# KiCad board chastity.kicad_pcb
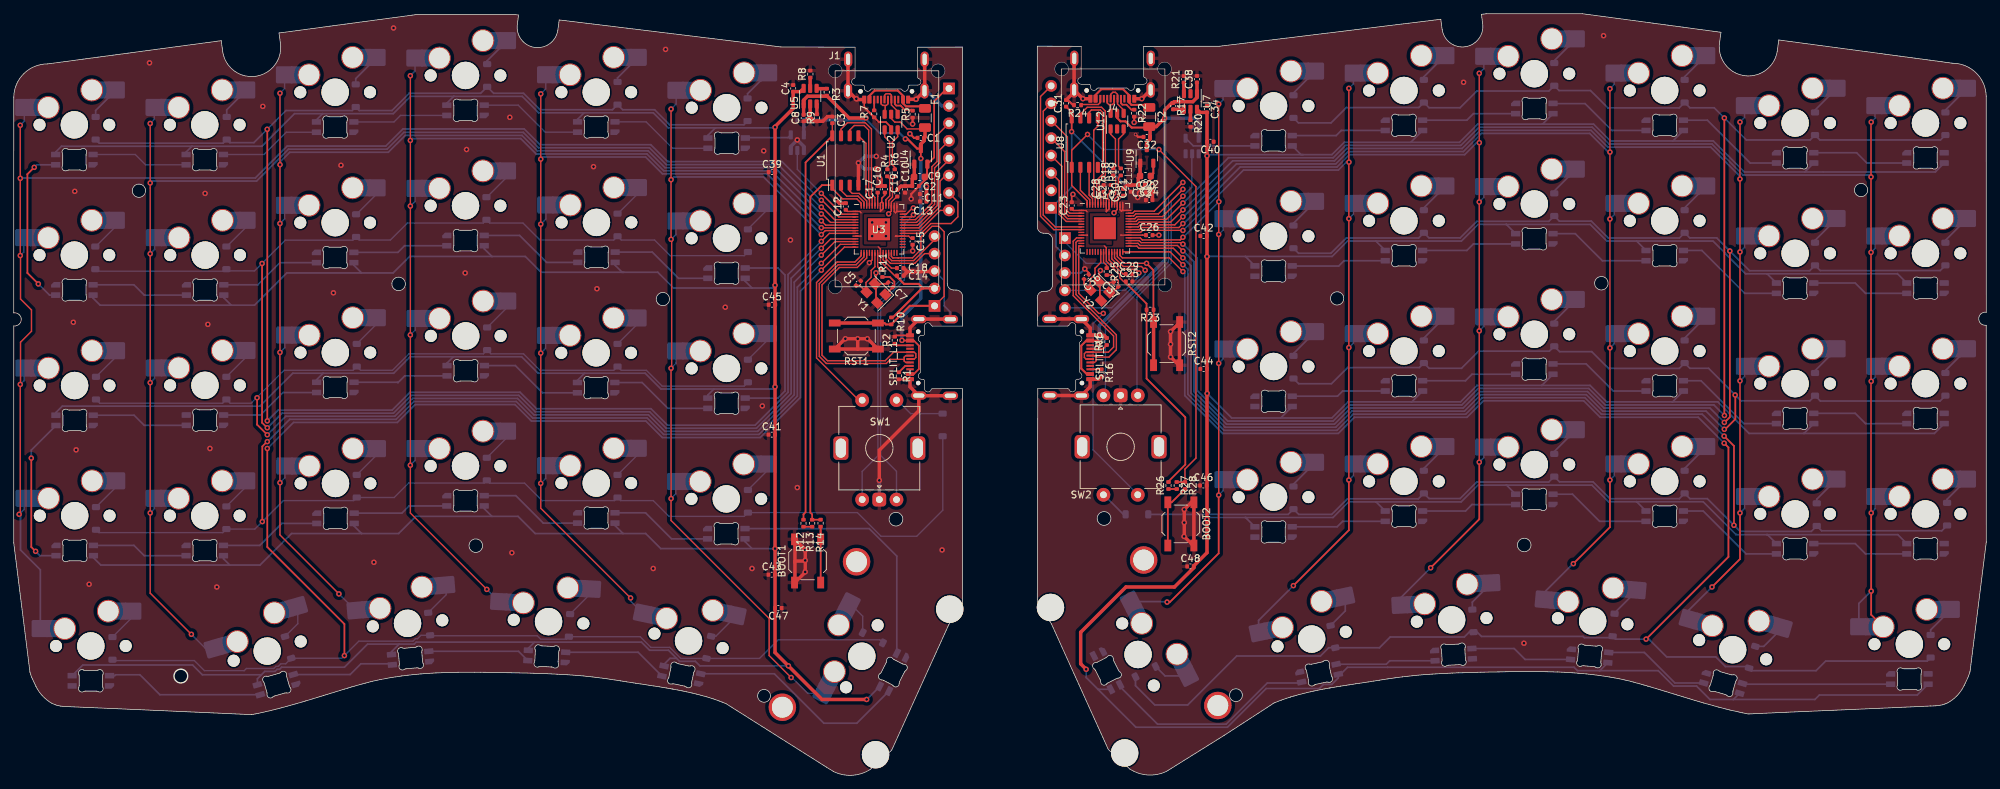
[diagram p0: board, top side]
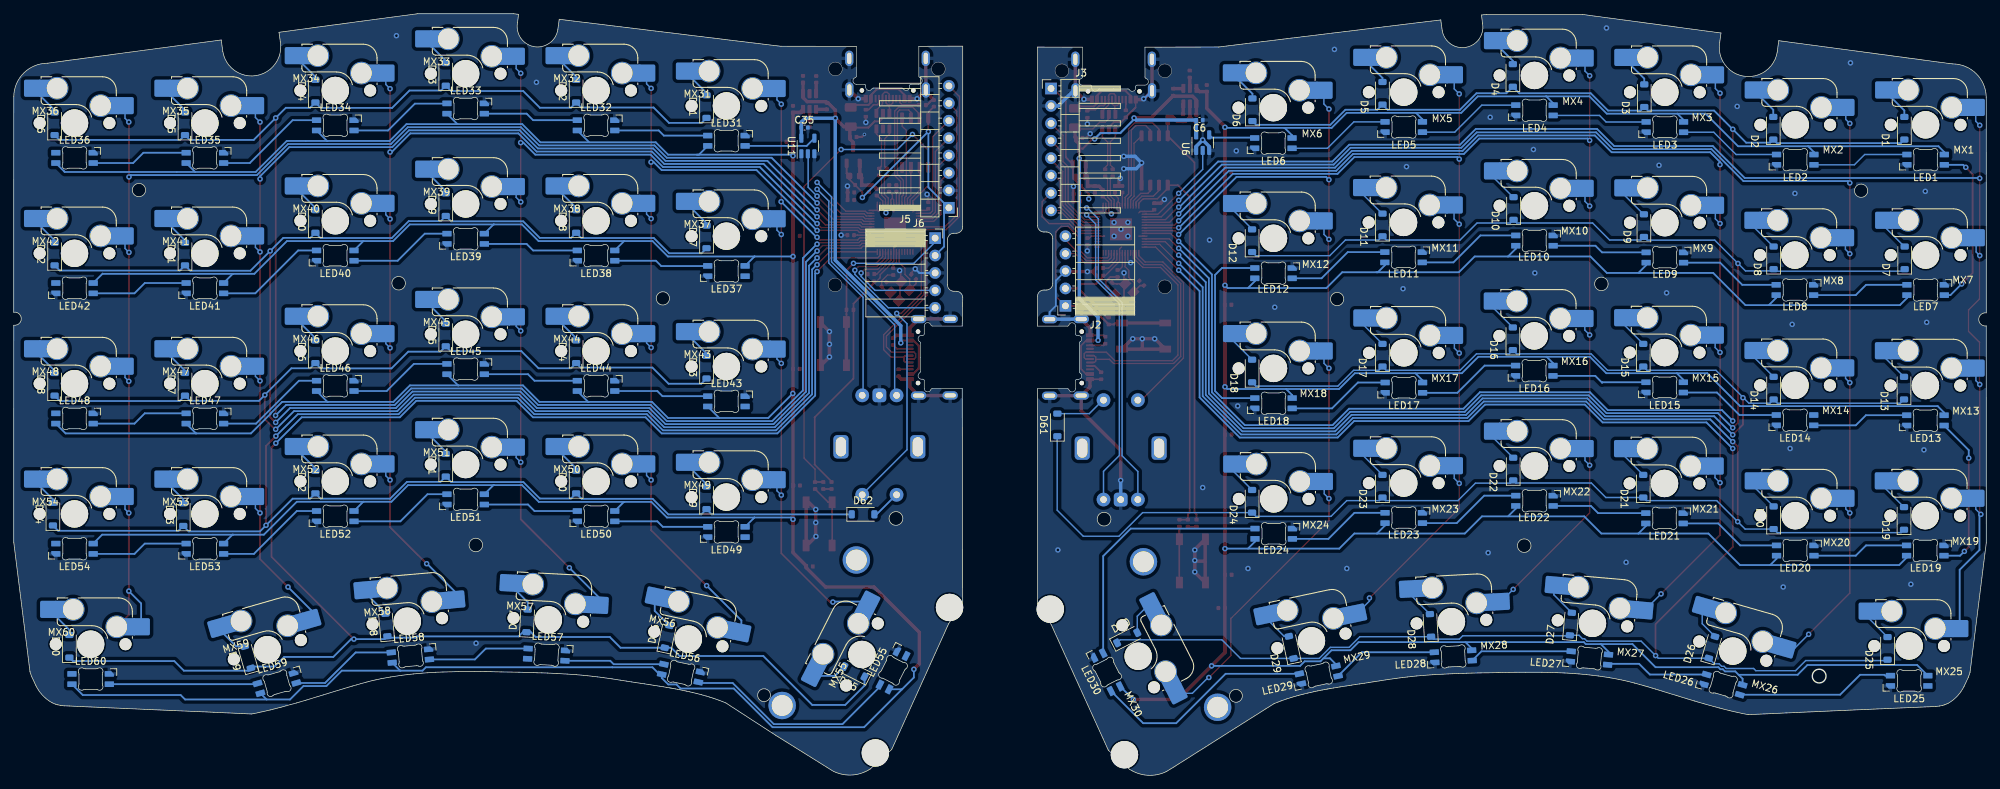
[diagram p1: board, bottom side, seen from below]

Outline 287.45 x 111.07 mm; copper layers: Top, Bottom. Coordinates in mm from the lower left corner of the outline.
Outline path: circle c18.24,85.26 r0.97 ; circle c24.35,14.48 r1 ; circle c56.09,71.67 r0.98 ; circle c67.33,33.49 r0.99 ; circle c94.59,69.46 r0.97 ; circle c109.34,11.59 r0.93 ; circle c128.56,37.36 r1 ; circle c158.89,37.46 r1 ; circle c178.11,11.69 r0.93 ; circle c192.85,69.56 r0.97 ; circle c220.11,33.59 r0.99 ; circle c231.36,71.77 r0.98 ; circle c269.2,85.36 r0.97 ; 38.84,106.93 arc(35.38,101.96) 30.46,105.49 30.24,107.14 4.91,103.75 arc(1.47,102.33) 0.01,98.91 0,67.44 arc(1.1,66.5) 0.01,65.54 0,33.91 2.37,15 2.61,14.31 3.22,13.02 arc(4.21,11.57) 5.58,10.49 6.06,10.29 6.39,10.19 6.85,10.1 7.36,10.04 8.13,10.01 29.15,9.1 34.69,8.85 35.59,9.03 37.41,9.44 38.94,9.83 41.18,10.45 42.52,10.84 45.17,11.65 48.21,12.58 48.68,12.72 49.31,12.91 49.91,13.08 50.54,13.26 51.29,13.46 52.23,13.71 52.78,13.83 53.52,13.99 54.88,14.24 56.47,14.48 57.44,14.6 58.28,14.69 59.36,14.79 60.31,14.86 61.46,14.93 62.54,14.97 64.84,15.03 67.97,15.03 69.47,15.02 71.12,14.98 73.63,14.94 75.71,14.89 76.25,14.86 76.95,14.85 77.77,14.82 79.18,14.75 80.66,14.67 81.96,14.58 83.01,14.49 83.67,14.42 84.39,14.34 85.08,14.26 86,14.14 87.19,13.97 88.41,13.78 89.3,13.64 89.99,13.53 90.58,13.44 91.33,13.33 91.89,13.25 92.51,13.15 92.84,13.1 93.3,13.03 94.07,12.91 94.62,12.82 95.1,12.74 95.56,12.66 95.68,12.64 95.79,12.62 95.97,12.59 96.14,12.56 96.4,12.51 96.74,12.45 97.04,12.39 97.4,12.32 97.81,12.23 98.05,12.18 98.5,12.08 98.94,11.98 99.55,11.83 100.21,11.66 100.89,11.47 101.39,11.32 101.93,11.15 102.76,10.86 103.23,10.68 103.78,10.46 118.4,1.21 119.49,0.55 arc(122.2,0.01) 124.82,0.87 127.94,3.67 136.25,21.96 138.27,25.11 138.24,56.41 ; 38.84,106.93 38.66,108.26 58.87,110.97 72.83,110.97 73.56,110.88 73.41,109.66 arc(75.84,106.16) 79.29,108.67 79.49,110.16 111.81,106.22 122.61,106.19 ; 131.71,106.19 138.26,106.2 138.26,80.18 arc(137.98,79.52) 137.32,79.24 136.98,79.24 arc(136.32,78.96) 136.04,78.29 136.04,71.72 arc(136.32,71.05) 136.99,70.78 137.33,70.78 arc(137.99,70.5) 138.27,69.83 138.24,65.51 ; 149.23,65.53 149.15,69.65 arc(149.43,70.32) 150.1,70.59 150.44,70.59 arc(151.1,70.87) 151.38,71.54 151.38,78.11 arc(151.11,78.78) 150.44,79.06 150.11,79.06 arc(149.44,79.33) 149.16,80 149.16,106.33 155.56,106.31 ; 149.23,56.43 149.16,25.33 151.21,22.11 159.51,3.77 162.66,0.91 arc(165.29,0.05) 168,0.59 176.42,5.85 183.67,10.56 184.22,10.78 184.69,10.96 185.52,11.25 186.06,11.42 186.56,11.57 187.24,11.76 187.9,11.93 188.51,12.08 188.95,12.18 189.4,12.28 189.64,12.33 190.05,12.42 190.41,12.49 190.71,12.55 191.05,12.61 191.31,12.66 191.48,12.69 191.66,12.72 191.77,12.74 191.89,12.76 192.35,12.84 192.83,12.92 193.38,13.01 194.15,13.13 194.61,13.2 194.94,13.25 195.56,13.35 196.12,13.43 196.87,13.54 197.46,13.63 198.15,13.74 199.04,13.88 200.26,14.07 201.45,14.24 202.37,14.36 203.06,14.44 203.78,14.52 204.44,14.59 205.49,14.68 206.79,14.77 208.27,14.85 209.68,14.92 210.5,14.95 211.2,14.96 211.74,14.99 213.82,15.04 216.33,15.08 217.98,15.12 219.48,15.13 222.61,15.13 224.91,15.07 225.99,15.03 227.14,14.96 228.09,14.89 229.17,14.79 230.01,14.7 230.98,14.58 232.57,14.34 233.93,14.09 234.67,13.93 235.22,13.81 236.16,13.56 236.91,13.36 237.54,13.18 238.14,13.01 238.77,12.82 239.24,12.68 242.28,11.75 244.93,10.94 246.27,10.55 248.51,9.93 250.04,9.54 251.86,9.13 252.76,8.95 258.3,9.2 268.35,9.63 279.32,10.11 280.09,10.14 280.6,10.2 281.06,10.29 281.39,10.39 281.87,10.59 arc(283.24,11.67) 284.23,13.11 284.84,14.41 285.08,15.1 287.45,34.01 287.44,65.64 arc(286.35,66.59) 287.45,67.54 287.44,99.01 arc(285.98,102.43) 282.54,103.85 257.21,107.24 256.99,105.59 arc(252.07,102.06) 248.61,107.03 ; 164.66,106.31 175.64,106.32 207.96,110.26 208.16,108.77 arc(211.6,106.26) 214.03,109.76 213.89,110.98 214.62,111.07 228.58,111.07 248.79,108.36 248.6,107.03

## Placement (name value [footprint] x y rotation side)
BOOT1  SW_Push  [SW_SPST_TL3342]  115.69 31.27 90 top
BOOT2  SW_Push  [SW_SPST_TL3342]  170.08 36.67 270 top
C1  1u  [C_0402_1005Metric]  132.19 92.96 180 top
C2  1u  [C_0402_1005Metric]  131.42 85.95 180 top
C3  1u  [C_0402_1005Metric]  119.29 95.59 90 top
C4  100u  [C_0402_1005Metric]  113.59 100.19 270 top
C5  22p  [C_0402_1005Metric]  123.09 71.77 225 top
C6  100n  [C_0402_1005Metric]  114.66 95.57 0 bottom
C7  22p  [C_0402_1005Metric]  127.77 71.55 135 top
C8  100n  [C_0402_1005Metric]  115.11 95.86 270 top
C9  10u  [C_0603_1608Metric]  131.99 87.27 180 top
C10  1u  [C_0402_1005Metric]  129.89 85.44 90 top
C11  100n  [C_0402_1005Metric]  132.52 84.77 0 top
C12  100n  [C_0402_1005Metric]  121.25 82.96 90 top
C13  100n  [C_0402_1005Metric]  132.53 83.7 0 top
C14  100n  [C_0402_1005Metric]  129.19 72.87 0 top
C15  100n  [C_0402_1005Metric]  130.99 77.87 270 top
C16  100n  [C_0402_1005Metric]  126.96 85.47 90 top
C17  100n  [C_0402_1005Metric]  125.9 85.47 90 top
C18  100n  [C_0402_1005Metric]  129.19 73.97 0 top
C19  1u  [C_0402_1005Metric]  128.75 84.89 90 top
C20  10u  [C_0603_1608Metric]  164.91 87.4 180 top
C21  1u  [C_0402_1005Metric]  162.82 85.58 90 top
C22  100n  [C_0402_1005Metric]  165.45 85.01 0 top
C23  100n  [C_0402_1005Metric]  154.17 83.1 90 top
C24  100n  [C_0402_1005Metric]  165.46 83.9 0 top
C25  100n  [C_0402_1005Metric]  162.54 72.02 0 top
C26  100n  [C_0402_1005Metric]  165.48 78.78 0 top
C27  100n  [C_0402_1005Metric]  159.88 85.6 90 top
C28  1u  [C_0402_1005Metric]  158.83 85.6 90 top
C29  100n  [C_0402_1005Metric]  162.52 73.11 0 top
C30  100n  [C_0402_1005Metric]  161.68 85.03 90 top
C31  1u  [C_0402_1005Metric]  153.36 98 90 top
C32  1u  [C_0402_1005Metric]  165.11 93.1 180 top
C33  1u  [C_0402_1005Metric]  164.35 86.08 180 top
C34  100u  [C_0402_1005Metric]  173.89 97.15 270 top
C35  100n  [C_0402_1005Metric]  172.21 94.47 0 bottom
C36  22p  [C_0402_1005Metric]  156.31 72.7 225 top
C37  22p  [C_0402_1005Metric]  160.63 71.6 135 top
C38  100n  [C_0402_1005Metric]  172.42 101.52 90 top
C39  100u  [C_0402_1005Metric]  110.49 87.97 0 top
C40  100u  [C_0402_1005Metric]  174.37 92.4 180 top
C41  100u  [C_0402_1005Metric]  110.46 49.69 0 top
C42  100u  [C_0402_1005Metric]  173.4 78.67 0 top
C43  100u  [C_0402_1005Metric]  110.45 29.26 0 top
C44  100u  [C_0402_1005Metric]  173.4 59.27 0 top
C45  100u  [C_0402_1005Metric]  110.49 68.63 0 top
C46  100u  [C_0402_1005Metric]  173.36 42.27 0 top
C47  100u  [C_0402_1005Metric]  111.42 24.4 180 top
C48  100u  [C_0402_1005Metric]  171.48 30.47 0 top
D1  D_Small  [D_SOD-123]  11.94 94.37 90 bottom
D2  D_Small  [D_SOD-123]  31.04 94.37 90 bottom
D3  D_Small  [D_SOD-123]  49.84 99.12 90 bottom
D4  D_Small  [D_SOD-123]  68.99 102.07 90 bottom
D5  D_Small  [D_SOD-123]  87.99 99.47 90 bottom
D6  D_Small  [D_SOD-123]  106.94 97.07 90 bottom
D7  D_Small  [D_SOD-123]  11.89 75.47 90 bottom
D8  D_Small  [D_SOD-123]  30.99 75.47 90 bottom
D9  D_Small  [D_SOD-123]  49.89 80.17 90 bottom
D10  D_Small  [D_SOD-123]  68.89 82.67 90 bottom
D11  D_Small  [D_SOD-123]  87.99 80.27 90 bottom
D12  D_Small  [D_SOD-123]  106.99 77.97 90 bottom
D13  D_Small  [D_SOD-123]  11.99 56.47 90 bottom
D14  D_Small  [D_SOD-123]  30.99 56.47 90 bottom
D15  D_Small  [D_SOD-123]  49.99 61.27 90 bottom
D16  D_Small  [D_SOD-123]  68.99 63.67 90 bottom
D17  D_Small  [D_SOD-123]  87.99 61.27 90 bottom
D18  D_Small  [D_SOD-123]  106.99 58.97 90 bottom
D19  D_Small  [D_SOD-123]  11.99 37.47 90 bottom
D20  D_Small  [D_SOD-123]  30.99 37.57 90 bottom
D21  D_Small  [D_SOD-123]  49.99 42.17 90 bottom
D22  D_Small  [D_SOD-123]  68.94 44.67 90 bottom
D23  D_Small  [D_SOD-123]  87.99 42.17 90 bottom
D24  D_Small  [D_SOD-123]  106.99 39.97 90 bottom
D25  D_Small  [D_SOD-123]  14.39 18.52 90 bottom
D26  D_Small  [D_SOD-123]  39.99 18.67 106 bottom
D27  D_Small  [D_SOD-123]  60.54 22.07 95 bottom
D28  D_Small  [D_SOD-123]  80.99 21.87 87 bottom
D29  D_Small  [D_SOD-123]  101.29 18.67 78 bottom
D30  D_Small  [D_SOD-123]  125.19 20.07 153 bottom
D31  D_Small  [D_SOD-123]  186.49 97.52 90 bottom
D32  D_Small  [D_SOD-123]  205.49 99.77 90 bottom
D33  D_Small  [D_SOD-123]  224.49 102.22 90 bottom
D34  D_Small  [D_SOD-123]  243.49 99.77 90 bottom
D35  D_Small  [D_SOD-123]  262.49 95.02 90 bottom
D36  D_Small  [D_SOD-123]  281.49 95.02 90 bottom
D37  D_Small  [D_SOD-123]  186.49 78.52 90 bottom
D38  D_Small  [D_SOD-123]  205.49 80.77 90 bottom
D39  D_Small  [D_SOD-123]  224.49 83.22 90 bottom
D40  D_Small  [D_SOD-123]  243.49 80.77 90 bottom
D41  D_Small  [D_SOD-123]  262.49 76.02 90 bottom
D42  D_Small  [D_SOD-123]  281.49 76.02 90 bottom
D43  D_Small  [D_SOD-123]  186.49 59.52 90 bottom
D44  D_Small  [D_SOD-123]  205.49 61.77 90 bottom
D45  D_Small  [D_SOD-123]  224.49 64.22 90 bottom
D46  D_Small  [D_SOD-123]  243.49 61.77 90 bottom
D47  D_Small  [D_SOD-123]  262.49 57.02 90 bottom
D48  D_Small  [D_SOD-123]  281.49 57.02 90 bottom
D49  D_Small  [D_SOD-123]  186.49 40.47 90 bottom
D50  D_Small  [D_SOD-123]  205.49 42.77 90 bottom
D51  D_Small  [D_SOD-123]  224.49 45.22 90 bottom
D52  D_Small  [D_SOD-123]  243.49 42.77 90 bottom
D53  D_Small  [D_SOD-123]  262.74 38.02 90 bottom
D54  D_Small  [D_SOD-123]  281.73 38.09 90 bottom
D55  D_Small  [D_SOD-123]  164.94 15.12 27 bottom
D56  D_Small  [D_SOD-123]  192.24 20.22 102 bottom
D57  D_Small  [D_SOD-123]  212.64 22.52 93 bottom
D58  D_Small  [D_SOD-123]  233.14 21.92 85 bottom
D59  D_Small  [D_SOD-123]  253.34 17.22 74 bottom
D60  D_Small  [D_SOD-123]  279.34 18.82 90 bottom
D61  D_Small  [D_SOD-123]  135.36 51.1 90 bottom
D62  D_Small  [D_SOD-123]  163.68 38.07 180 bottom
F1  Fuse_Small  [Fuse_1206_3216Metric]  132.79 95.87 270 top
F2  Fuse_Small  [Fuse_1206_3216Metric]  165.48 96 270 top
J1  USB_C_Receptacle_USB2.0  [USB_C_Receptacle_HRO_TYPE-C-31-M-14]  127.15 99.75 180 top
J2  Conn_01x05  [PinSocket_1x05_P2.54mm_Horizontal]  134.19 68.47 0 bottom
J3  Conn_01x08_Pin  [PinHeader_1x08_P2.54mm_Horizontal]  136.29 100.17 180 bottom
J4  USB_C_Receptacle_USB2.0  [USB_C_Receptacle_HRO_TYPE-C-31-M-14]  160.1 99.88 180 top
J5  Conn_01x05  [PinSocket_1x05_P2.54mm_Horizontal]  153.18 78.35 180 bottom
J6  Conn_01x08_Pin  [PinHeader_1x08_P2.54mm_Horizontal]  151.18 82.77 0 bottom
LED1  SK6803MINI-E  [LED_MX_6028R]  8.84 89.79 180 bottom
LED2  SK6803MINI-E  [LED_MX_6028R]  27.84 89.79 180 bottom
LED3  SK6803MINI-E  [LED_MX_6028R]  46.84 94.54 180 bottom
LED4  SK6803MINI-E  [LED_MX_6028R]  65.84 96.99 180 bottom
LED5  SK6803MINI-E  [LED_MX_6028R]  84.89 94.55 180 bottom
LED6  SK6803MINI-E  [LED_MX_6028R]  103.89 92.2 180 bottom
LED7  SK6803MINI-E  [LED_MX_6028R]  8.84 70.79 0 bottom
LED8  SK6803MINI-E  [LED_MX_6028R]  27.89 70.79 0 bottom
LED9  SK6803MINI-E  [LED_MX_6028R]  46.84 75.52 0 bottom
LED10  SK6803MINI-E  [LED_MX_6028R]  65.84 77.99 0 bottom
LED11  SK6803MINI-E  [LED_MX_6028R]  84.92 75.56 0 bottom
LED12  SK6803MINI-E  [LED_MX_6028R]  103.87 73.24 0 bottom
LED13  SK6803MINI-E  [LED_MX_6028R]  8.87 51.77 180 bottom
LED14  SK6803MINI-E  [LED_MX_6028R]  27.87 51.8 180 bottom
LED15  SK6803MINI-E  [LED_MX_6028R]  46.87 56.58 180 bottom
LED16  SK6803MINI-E  [LED_MX_6028R]  65.87 59.01 180 bottom
LED17  SK6803MINI-E  [LED_MX_6028R]  84.87 56.54 180 bottom
LED18  SK6803MINI-E  [LED_MX_6028R]  103.87 54.27 180 bottom
LED19  SK6803MINI-E  [LED_MX_6028R]  8.89 32.79 0 bottom
LED20  SK6803MINI-E  [LED_MX_6028R]  27.84 32.79 0 bottom
LED21  SK6803MINI-E  [LED_MX_6028R]  46.89 37.49 0 bottom
LED22  SK6803MINI-E  [LED_MX_6028R]  65.84 40.04 0 bottom
LED23  SK6803MINI-E  [LED_MX_6028R]  84.89 37.54 0 bottom
LED24  SK6803MINI-E  [LED_MX_6028R]  103.84 35.24 0 bottom
LED25  SK6803MINI-E  [LED_MX_6028R]  11.24 13.79 180 bottom
LED26  SK6803MINI-E  [LED_MX_6028R]  38.34 13.23 196 bottom
LED27  SK6803MINI-E  [LED_MX_6028R]  57.83 17.11 185 bottom
LED28  SK6803MINI-E  [LED_MX_6028R]  77.67 17.34 177 bottom
LED29  SK6803MINI-E  [LED_MX_6028R]  97.28 14.65 168 bottom
LED30  SK6803MINI-E  [LED_MX_6028R]  128.11 15.06 243 bottom
LED31  SK6803MINI-E  [LED_MX_6028R]  183.59 92.54 0 bottom
LED32  SK6803MINI-E  [LED_MX_6028R]  202.59 94.79 0 bottom
LED33  SK6803MINI-E  [LED_MX_6028R]  221.59 97.24 0 bottom
LED34  SK6803MINI-E  [LED_MX_6028R]  240.59 94.79 0 bottom
LED35  SK6803MINI-E  [LED_MX_6028R]  259.59 90.04 0 bottom
LED36  SK6803MINI-E  [LED_MX_6028R]  278.59 90.04 0 bottom
LED37  SK6803MINI-E  [LED_MX_6028R]  183.59 73.54 180 bottom
LED38  SK6803MINI-E  [LED_MX_6028R]  202.59 75.79 180 bottom
LED39  SK6803MINI-E  [LED_MX_6028R]  221.59 78.24 180 bottom
LED40  SK6803MINI-E  [LED_MX_6028R]  240.59 75.79 180 bottom
LED41  SK6803MINI-E  [LED_MX_6028R]  259.59 71.04 180 bottom
LED42  SK6803MINI-E  [LED_MX_6028R]  278.59 71.04 180 bottom
LED43  SK6803MINI-E  [LED_MX_6028R]  183.59 54.54 0 bottom
LED44  SK6803MINI-E  [LED_MX_6028R]  202.59 56.79 0 bottom
LED45  SK6803MINI-E  [LED_MX_6028R]  221.59 59.24 0 bottom
LED46  SK6803MINI-E  [LED_MX_6028R]  240.59 56.79 0 bottom
LED47  SK6803MINI-E  [LED_MX_6028R]  259.59 52.04 0 bottom
LED48  SK6803MINI-E  [LED_MX_6028R]  278.59 52.04 0 bottom
LED49  SK6803MINI-E  [LED_MX_6028R]  183.59 35.49 180 bottom
LED50  SK6803MINI-E  [LED_MX_6028R]  202.59 37.79 180 bottom
LED51  SK6803MINI-E  [LED_MX_6028R]  221.59 40.24 180 bottom
LED52  SK6803MINI-E  [LED_MX_6028R]  240.59 37.79 180 bottom
LED53  SK6803MINI-E  [LED_MX_6028R]  259.59 33.04 180 bottom
LED54  SK6803MINI-E  [LED_MX_6028R]  278.59 33.04 180 bottom
LED55  SK6803MINI-E  [LED_MX_6028R]  159.31 15.32 297 bottom
LED56  SK6803MINI-E  [LED_MX_6028R]  190.19 14.91 12 bottom
LED57  SK6803MINI-E  [LED_MX_6028R]  209.8 17.6 3 bottom
LED58  SK6803MINI-E  [LED_MX_6028R]  229.65 17.41 355 bottom
LED59  SK6803MINI-E  [LED_MX_6028R]  249.09 13.44 344 bottom
LED60  SK6803MINI-E  [LED_MX_6028R]  276.24 14.04 0 bottom
MX1  MX_SW_HS  [SW_MX_HS_1u]  8.84 94.87 180 bottom
MX2  MX_SW_HS  [SW_MX_HS_1u]  27.84 94.87 180 bottom
MX3  MX_SW_HS  [SW_MX_HS_1u]  46.84 99.62 180 bottom
MX4  MX_SW_HS  [SW_MX_HS_1u]  65.84 102.07 180 bottom
MX5  MX_SW_HS  [SW_MX_HS_1u]  84.89 99.63 180 bottom
MX6  MX_SW_HS  [SW_MX_HS_1u]  103.89 97.37 180 bottom
MX7  MX_SW_HS  [SW_MX_HS_1u]  8.84 75.87 180 bottom
MX8  MX_SW_HS  [SW_MX_HS_1u]  27.89 75.87 180 bottom
MX9  MX_SW_HS  [SW_MX_HS_1u]  46.84 80.6 180 bottom
MX10  MX_SW_HS  [SW_MX_HS_1u]  65.84 83.07 180 bottom
MX11  MX_SW_HS  [SW_MX_HS_1u]  84.92 80.64 180 bottom
MX12  MX_SW_HS  [SW_MX_HS_1u]  103.87 78.32 180 bottom
MX13  MX_SW_HS  [SW_MX_HS_1u]  8.87 56.85 180 bottom
MX14  MX_SW_HS  [SW_MX_HS_1u]  27.87 56.88 180 bottom
MX15  MX_SW_HS  [SW_MX_HS_1u]  46.87 61.66 180 bottom
MX16  MX_SW_HS  [SW_MX_HS_1u]  65.87 64.09 180 bottom
MX17  MX_SW_HS  [SW_MX_HS_1u]  84.87 61.62 180 bottom
MX18  MX_SW_HS  [SW_MX_HS_1u]  103.87 59.35 180 bottom
MX19  MX_SW_HS  [SW_MX_HS_1u]  8.89 37.87 180 bottom
MX20  MX_SW_HS  [SW_MX_HS_1u]  27.84 37.87 180 bottom
MX21  MX_SW_HS  [SW_MX_HS_1u]  46.89 42.57 180 bottom
MX22  MX_SW_HS  [SW_MX_HS_1u]  65.84 45.12 180 bottom
MX23  MX_SW_HS  [SW_MX_HS_1u]  84.89 42.62 180 bottom
MX24  MX_SW_HS  [SW_MX_HS_1u]  103.84 40.32 180 bottom
MX25  MX_SW_HS  [SW_MX_HS_1u]  11.24 18.87 180 bottom
MX26  MX_SW_HS  [SW_MX_HS_1u]  36.94 18.12 196 bottom
MX27  MX_SW_HS  [SW_MX_HS_1u]  57.39 22.17 185 bottom
MX28  MX_SW_HS  [SW_MX_HS_1u]  77.94 22.42 177 bottom
MX29  MX_SW_HS  [SW_MX_HS_1u]  98.34 19.62 168 bottom
MX30  MX_SW_HS  [SW_MX_HS_1u]  123.59 17.37 243 bottom
MX31  MX_SW_HS  [SW_MX_HS_1u]  183.59 97.62 180 bottom
MX32  MX_SW_HS  [SW_MX_HS_1u]  202.59 99.87 180 bottom
MX33  MX_SW_HS  [SW_MX_HS_1u]  221.59 102.32 180 bottom
MX34  MX_SW_HS  [SW_MX_HS_1u]  240.59 99.87 180 bottom
MX35  MX_SW_HS  [SW_MX_HS_1u]  259.59 95.12 180 bottom
MX36  MX_SW_HS  [SW_MX_HS_1u]  278.59 95.12 180 bottom
MX37  MX_SW_HS  [SW_MX_HS_1u]  183.59 78.62 180 bottom
MX38  MX_SW_HS  [SW_MX_HS_1u]  202.59 80.87 180 bottom
MX39  MX_SW_HS  [SW_MX_HS_1u]  221.59 83.32 180 bottom
MX40  MX_SW_HS  [SW_MX_HS_1u]  240.59 80.87 180 bottom
MX41  MX_SW_HS  [SW_MX_HS_1u]  259.59 76.12 180 bottom
MX42  MX_SW_HS  [SW_MX_HS_1u]  278.59 76.12 180 bottom
MX43  MX_SW_HS  [SW_MX_HS_1u]  183.59 59.62 180 bottom
MX44  MX_SW_HS  [SW_MX_HS_1u]  202.59 61.87 180 bottom
MX45  MX_SW_HS  [SW_MX_HS_1u]  221.59 64.32 180 bottom
MX46  MX_SW_HS  [SW_MX_HS_1u]  240.59 61.87 180 bottom
MX47  MX_SW_HS  [SW_MX_HS_1u]  259.59 57.12 180 bottom
MX48  MX_SW_HS  [SW_MX_HS_1u]  278.59 57.12 180 bottom
MX49  MX_SW_HS  [SW_MX_HS_1u]  183.59 40.57 180 bottom
MX50  MX_SW_HS  [SW_MX_HS_1u]  202.59 42.87 180 bottom
MX51  MX_SW_HS  [SW_MX_HS_1u]  221.59 45.32 180 bottom
MX52  MX_SW_HS  [SW_MX_HS_1u]  240.59 42.87 180 bottom
MX53  MX_SW_HS  [SW_MX_HS_1u]  259.59 38.12 180 bottom
MX54  MX_SW_HS  [SW_MX_HS_1u]  278.59 38.12 180 bottom
MX55  MX_SW_HS  [SW_MX_HS_1u]  163.84 17.62 117 bottom
MX56  MX_SW_HS  [SW_MX_HS_1u]  189.14 19.87 192 bottom
MX57  MX_SW_HS  [SW_MX_HS_1u]  209.54 22.67 183 bottom
MX58  MX_SW_HS  [SW_MX_HS_1u]  230.09 22.47 175 bottom
MX59  MX_SW_HS  [SW_MX_HS_1u]  250.49 18.32 164 bottom
MX60  MX_SW_HS  [SW_MX_HS_1u]  276.24 19.12 180 bottom
R1  5K1  [R_0402_1005Metric]  128.99 58.27 270 top
R2  5K1  [R_0402_1005Metric]  128.39 63.46 90 top
R3  5k1  [R_0402_1005Metric]  118.47 99.63 270 top
R4  27  [R_0402_1005Metric]  127.3 87.87 90 top
R5  5K1  [R_0402_1005Metric]  130.99 96.42 270 top
R6  27  [R_0402_1005Metric]  128.39 87.87 90 top
R7  5K1  [R_0402_1005Metric]  125.39 96.47 270 top
R8  75k  [R_0402_1005Metric]  116.08 102.26 90 top
R9  5k1  [R_0402_1005Metric]  117.04 95.9 270 top
R10  5K1  [R_0402_1005Metric]  127.88 66.27 90 top
R11  1k  [R_0402_1005Metric]  126.59 73.19 270 top
R12  5K1  [R_0402_1005Metric]  115.09 36.77 90 top
R13  5K1  [R_0402_1005Metric]  116.35 36.76 270 top
R14  1k  [R_0402_1005Metric]  117.58 36.78 270 top
R15  5K1  [R_0402_1005Metric]  159.28 63.27 90 top
R16  5K1  [R_0402_1005Metric]  158.5 58.7 270 top
R17  5k1  [C_0402_1005Metric]  168.97 97.6 270 top
R18  27  [R_0402_1005Metric]  160.23 88 90 top
R19  27  [R_0402_1005Metric]  161.33 87.99 90 top
R20  75k  [C_0402_1005Metric]  171.48 95.07 270 top
R21  5k1  [C_0402_1005Metric]  170.51 101.51 90 top
R22  5K1  [R_0402_1005Metric]  163.28 96.57 270 top
R23  5K1  [R_0402_1005Metric]  165.59 67.89 180 top
R24  5K1  [R_0402_1005Metric]  155.03 97.74 180 top
R25  1k  [R_0402_1005Metric]  159.28 73.47 270 top
R26  5K1  [R_0402_1005Metric]  168.28 42.27 90 top
R27  5K1  [R_0402_1005Metric]  169.48 42.27 270 top
R28  1k  [R_0402_1005Metric]  170.68 42.27 270 top
RST1  SW_Push  [SW_SPST_TL3342]  122.79 64.07 0 top
RST2  SW_Push  [SW_SPST_TL3342]  168 62.96 270 top
S1  MX_stab  [STAB_MX_P_2u]  123.64 17.37 63 top
S31  MX_stab  [STAB_MX_P_2u]  163.84 17.62 297 top
SPLIT_L1  USB-C-2.0  [USB_C_Receptacle_HRO_TYPE-C-31-M-14]  131.81 60.96 90 top
SPLIT_R1  USB-C-2.0  [USB_C_Receptacle_HRO_TYPE-C-31-M-14]  155.67 60.96 270 top
SW1  RotaryEncoder_Switch  [ROT_Alps_EC11E-Switch]  126.14 47.72 0 top
SW2  RotaryEncoder_Switch  [ROT_Alps_EC11E-Switch]  161.3 47.92 180 top
TFT1  ~  [TFT 1.47 waveshare]  119.25 71.24 90 top
TFT2  ~  [TFT 1.47 waveshare]  168.21 103.02 270 top
U1  W25Q128JVS  [SOIC-8_5.23x5.23mm_P1.27mm]  121.19 89.67 90 top
U2  USBLC6-2SC6  [SOT-23-6]  127.86 95.27 90 top
U3  RP2040  [QFN-56-1EP_7x7mm_P0.4mm_EP3.2x3.2mm]  126.1 79.64 0 top
U4  XC6206PxxxMR  [SOT-23-3]  132.19 90.27 90 top
U5  TPS2553DBVR  [SOT-23-6]  116.06 99.05 90 top
U6  74AHC1G125  [SOT-23-5]  114.19 92.27 90 bottom
U7  TPS2553DBVR  [SOT-23-6]  171.48 98.27 270 top
U8  W25Q128JVS  [SOIC-8_5.23x5.23mm_P1.27mm]  156.08 92.27 90 top
U9  XC6206PxxxMR  [SOT-23-3]  165.11 90.4 90 top
U10  RP2040  [QFN-56-1EP_7x7mm_P0.4mm_EP3.2x3.2mm]  159.01 79.78 0 top
U11  74AHC1G125  [SOT-23-5]  171.72 91.78 90 bottom
U12  USBLC6-2SC6  [SOT-23-6]  160.79 95.4 90 top
Y1  Crystal_GND24  [Crystal_SMD_3225-4Pin_3.2x2.5mm]  125.65 70.29 135 top
Y2  Crystal_GND24  [Crystal_SMD_3225-4Pin_3.2x2.5mm]  158.28 70.6 135 top

## Library data of the parts
BOOT1 BOOT2 RST1 RST2 = -: Description: Push button switch, generic, two pins
C1-C7 C9-C37 C39-C48 = -: Description: Unpolarized capacitor, small symbol
C8 C38 = -: Description: Unpolarized capacitor; LCSC: C1760
D1-D62 = -: Description: Diode, small symbol; Sim.Device: D; Sim.Pins: 1=K 2=A
F1 F2 = -: Description: Fuse, small symbol
J1 J4 SPLIT_L1 SPLIT_R1 = -: Description: USB 2.0-only Type-C Receptacle connector
J2 J5 = -: Description: Generic connector, single row, 01x05, script generated (kicad-library-utils/schlib/autogen/connector/)
J3 J6 = -: Description: Generic connector, single row, 01x08, script generated
LED1-LED60 = -: Description: Reverse mount adressable LED (WS2812 protocol); Field4: 1
MX1-MX60 = -: Description: Push button switch, normally open, two pins, 45° tilted
R1 R2 R4-R7 R10-R16 R18 R19 R22-R28 = -: Description: Resistor, small symbol
R3 R9 R17 R21 = -: Description: Resistor; LCSC: C27834
R8 R20 = -: Description: Resistor; LCSC: C17819
S1 S31 = -: Description: Cherry MX-style stabilizer
SW1 SW2 = -: Description: Rotary encoder, dual channel, incremental quadrate outputs, with switch
U1 U8 = -: Description: 128Mb Serial Flash Memory, Standard/Dual/Quad SPI, SOIC-8
U2 U12 = -: Description: Very low capacitance ESD protection diode, 2 data-line, SOT-23-6
U3 U10 = -: Description: A microcontroller by Raspberry Pi
U4 U9 = -: Description: Positive 60-250mA Low Dropout Regulator, Fixed Output, SOT-23
U5 U7 = -: LCSC: C55266
U6 U11 = -: Description: Single Buffer Gate Tri-State, Low-Voltage CMOS
Y1 Y2 = -: Description: Four pin crystal, GND on pins 2 and 4

## Footprints (pads in the part's own frame, mm; a bottom-side part is the same pattern mirrored in y, then rotated)
C_0402_1005Metric
  rrect 0.56x0.62 smd: 1(-0.48,0) 2(0.48,0)
C_0603_1608Metric
  rrect 0.9x0.95 smd: 1(-0.775,0) 2(0.775,0)
Crystal_SMD_3225-4Pin_3.2x2.5mm
  rect 1.4x1.2 smd: 1(-1.1,-0.85) 2(1.1,-0.85) 3(1.1,0.85) 4(-1.1,0.85)
D_SOD-123
  rrect 0.9x1.2 smd: 1(-1.65,0) 2(1.65,0)
Fuse_1206_3216Metric
  rrect 1.25x1.75 smd: 1(-1.4,0) 2(1.4,0)
LED_MX_6028R
  rrect 1.35x0.82 smd: 1(2.725,0.75) 2(2.725,-0.75) 3(-2.725,0.75) 4(-2.725,-0.75)
PinHeader_1x08_P2.54mm_Horizontal
  rect 1.7x1.7 hole 1: 1(0,0)
  oval 1.7x1.7 hole 1: 2(0,-2.54) 3(0,-5.08) 4(0,-7.62) 5(0,-10.16) 6(0,-12.7) 7(0,-15.24) 8(0,-17.78)
PinSocket_1x05_P2.54mm_Horizontal
  rect 1.7x1.7 hole 1: 1(0,0)
  oval 1.7x1.7 hole 1: 2(0,-2.54) 3(0,-5.08) 4(0,-7.62) 5(0,-10.16)
QFN-56-1EP_7x7mm_P0.4mm_EP3.2x3.2mm
  rrect 1.29x1.29 smd: (-0.8,0.8) (-0.8,-0.8) (0.8,0.8) (0.8,-0.8)
  rrect 0.875x0.2 smd: 1(-3.438,2.6) 2(-3.438,2.2) 3(-3.438,1.8) 4(-3.438,1.4) 5(-3.438,1) 6(-3.438,0.6) 7(-3.438,0.2) 8(-3.438,-0.2) 9(-3.438,-0.6) 10(-3.438,-1) 11(-3.438,-1.4) 12(-3.438,-1.8) 13(-3.438,-2.2) 14(-3.438,-2.6) 29(3.438,-2.6) 30(3.438,-2.2) 31(3.438,-1.8) 32(3.438,-1.4) 33(3.438,-1) 34(3.438,-0.6) 35(3.438,-0.2) 36(3.438,0.2) 37(3.438,0.6) 38(3.438,1) 39(3.438,1.4) 40(3.438,1.8) 41(3.438,2.2) 42(3.438,2.6)
  rrect 0.2x0.875 smd: 15(-2.6,-3.438) 16(-2.2,-3.438) 17(-1.8,-3.438) 18(-1.4,-3.438) 19(-1,-3.438) 20(-0.6,-3.438) 21(-0.2,-3.438) 22(0.2,-3.438) 23(0.6,-3.438) 24(1,-3.438) 25(1.4,-3.438) 26(1.8,-3.438) 27(2.2,-3.438) 28(2.6,-3.438) 43(2.6,3.438) 44(2.2,3.438) 45(1.8,3.438) 46(1.4,3.438) 47(1,3.438) 48(0.6,3.438) 49(0.2,3.438) 50(-0.2,3.438) 51(-0.6,3.438) 52(-1,3.438) 53(-1.4,3.438) 54(-1.8,3.438) 55(-2.2,3.438) 56(-2.6,3.438)
  rect 3.2x3.2 smd: 57(0,0)
R_0402_1005Metric
  rrect 0.54x0.64 smd: 1(-0.51,0) 2(0.51,0)
ROT_Alps_EC11E-Switch
  round 2 hole 1: A(-2.5,-7.5) B(2.5,-7.5) S1(2.5,7) S2(-2.5,7)
  rrect 2x2 hole 1: C(0,-7.5)
  rrect 2.2x3.4 hole 1.5x2.8: MP(-5.6,0) MP(5.6,0)
SOIC-8_5.23x5.23mm_P1.27mm
  rrect 1.6x0.6 smd: 1(-3.6,1.905) 2(-3.6,0.635) 3(-3.6,-0.635) 4(-3.6,-1.905) 5(3.6,-1.905) 6(3.6,-0.635) 7(3.6,0.635) 8(3.6,1.905)
SOT-23-3
  rrect 1.325x0.6 smd: 1(-1.137,0.95) 2(-1.137,-0.95) 3(1.137,0)
SOT-23-5
  rrect 1.325x0.6 smd: 1(-1.137,0.95) 2(-1.137,0) 3(-1.137,-0.95) 4(1.137,-0.95) 5(1.137,0.95)
SOT-23-6
  rrect 1.325x0.6 smd: 1(-1.137,0.95) 2(-1.137,0) 3(-1.137,-0.95) 4(1.137,-0.95) 5(1.137,0) 6(1.137,0.95)
STAB_MX_P_2u
  round 4 hole 3.048: (-11.906,6.985) (11.906,6.985)
  round 3.988 hole 3.988 unplated: (-11.906,-8.255) (11.906,-8.255)
SW_MX_HS_1u
  round 1.75 hole 1.75 unplated: (-5.08,0) (5.08,0)
  round 3.988 hole 3.988 unplated: (0,0)
  round 3.3 hole 3: 1(3.81,2.54) 2(-2.54,5.08)
  rect 1.65x2.5 smd: 1(5.635,2.54) 2(-4.34,5.08)
  rrect 2.55x2.5 smd: 1(7.36,2.54) 2(-6.09,5.08)
SW_SPST_TL3342
  rect 1.7x1 smd: 1(-3.15,1.9) 1(3.15,1.9) 2(-3.15,-1.9) 2(3.15,-1.9)
USB_C_Receptacle_HRO_TYPE-C-31-M-14
  round 0.65 hole 0.65 unplated: (-3.75,0) (3.75,0)
  rect 0.54x1.1 smd: A1(-3.2,1.2) A4(-2.45,1.2) A9(2.45,1.2) A12(3.2,1.2) B1(3.2,1.2) B4(2.45,1.2) B9(-2.45,1.2) B12(-3.2,1.2)
  rect 0.3x1.1 smd: A5(-1.25,1.2) A6(-0.25,1.2) A7(0.25,1.2) A8(1.25,1.2) B5(1.75,1.2) B6(0.75,1.2) B7(-0.75,1.2) B8(-1.75,1.2)
  oval 1.2x2.25 hole 0.6x1.65: S1(-5.595,-4.68) S1(-5.575,-0.08) S1(5.555,-4.68) S1(5.575,-0.08)
